# KiCad board gmsl-deserializer.kicad_pcb (continued)
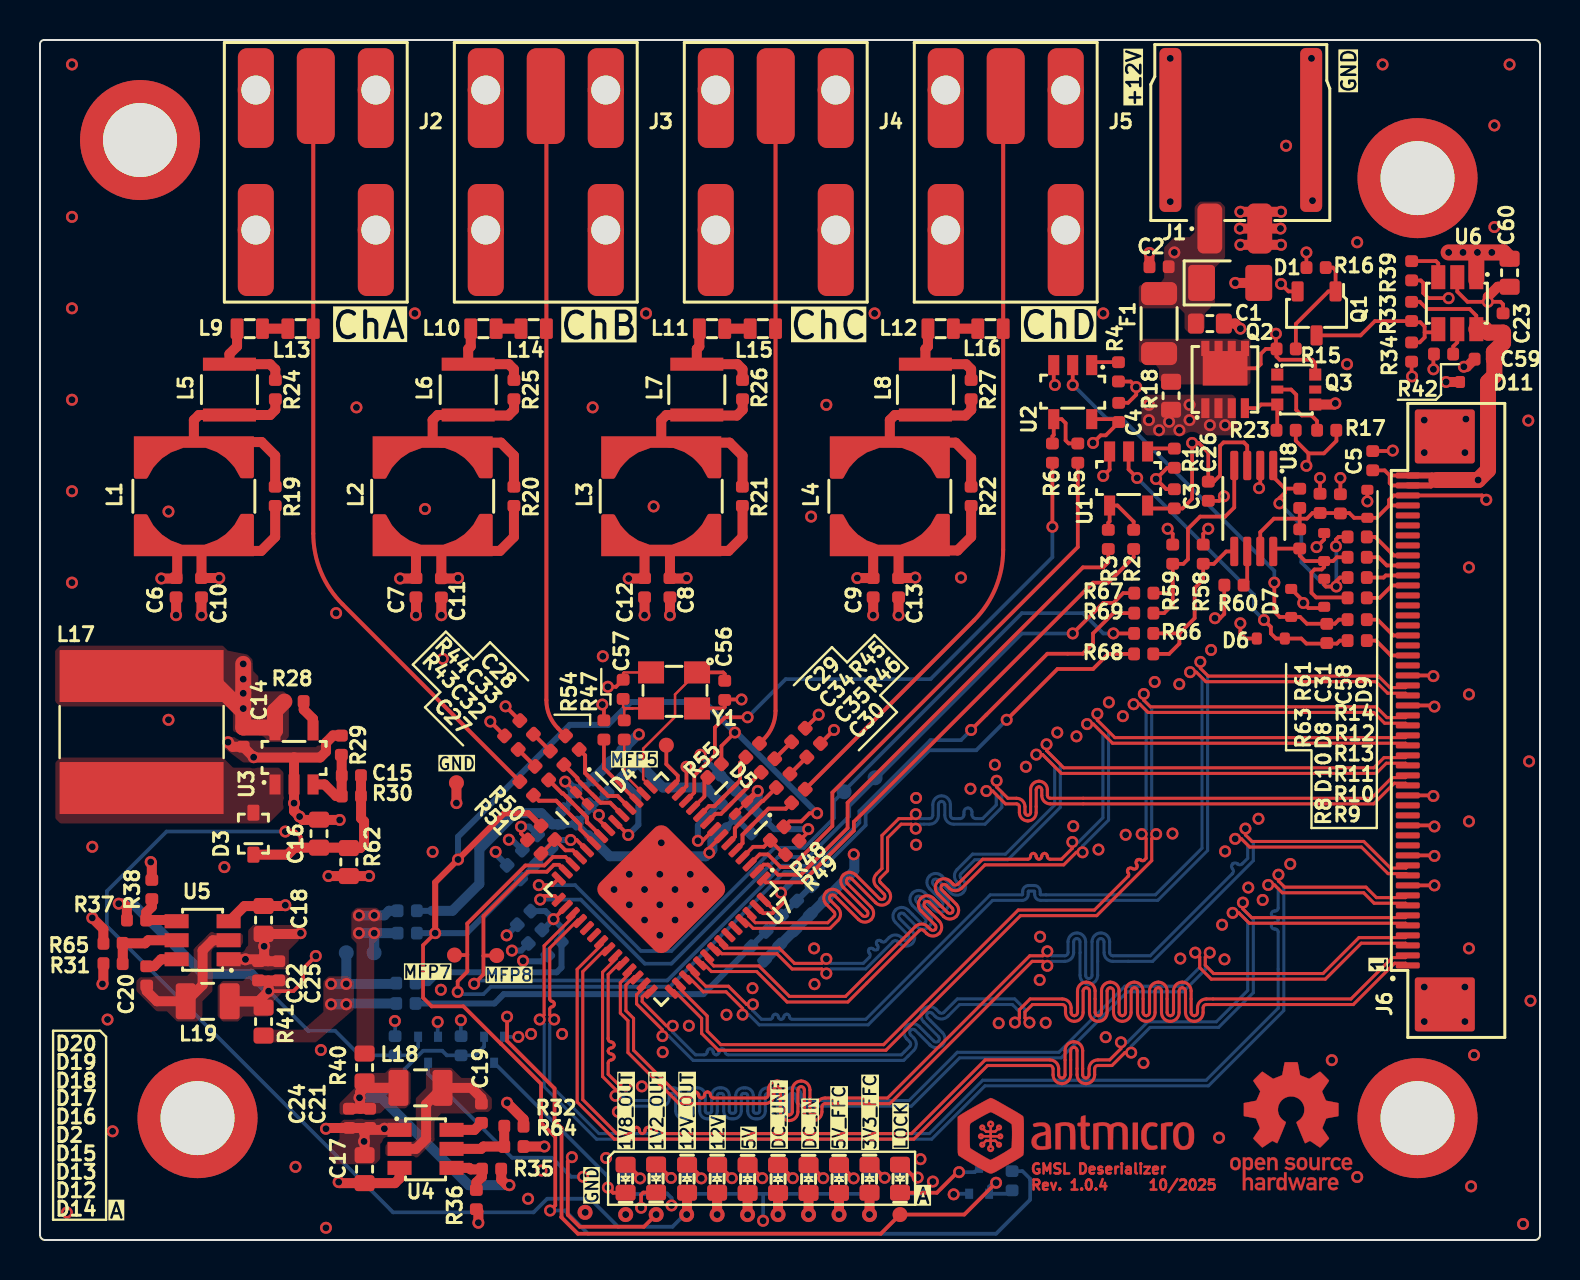
[diagram p0: board, top side]
## Library data of the parts (continued)
Q2 = -: Datasheet: https://www.vishay.com/docs/65529/sqs401en.pdf; Description: MOSFET, P Channel, 40 V, 16A, 0.047 ohm, PowerPAK 1212-8, Surface Mount; Author: Antmicro; License: Apache-2.0; Manufacturer: Vishay
Q3 = -: Datasheet: https://www.mouser.com/datasheet/2/115/DIOD_S_A0011803041_1-2543705.pdf; Description: OR Controller N+1 ORing Controller P-Channel 1:1 SOT-363; Author: Antmicro; License: Apache-2.0; Manufacturer: Diodes Incorporated
Q4-Q6 = -: Datasheet: https://www.diodes.com/assets/Datasheets/ds31783.pdf; Description: Power MOSFET, N Channel, 20 V, 630 mA, 0.3 ohm, SOT-523, Surface Mount; Author: Antmicro; License: Apache-2.0; Manufacturer: Diodes Incorporated
R1 R4 R16 R31-R34 R36 R38 R39 R49 R51 R55 R60 R64 R65 = -: Datasheet: https://www.bourns.com/docs/product-datasheets/cr.pdf; Description: SMD Chip Resistor, 10 kohm, ± 1%, 62.5 mW, 0402 [1005 Metric], Thick Film, General Purpose; Author: Antmicro; License: Apache-2.0; MPN: CR0402-FX-1002GLF; Manufacturer: Bourns; Tolerance: 1%; Val: 10k
R2 R3 R5 R6 R28 R47 R52 R53 R56 R57 = -: Datasheet: https://industrial.panasonic.com/cdbs/www-data/pdf/RDA0000/AOA0000C301.pdf; Description: SMD Chip Resistor, Jumper, 0 ohm, 100 mW, 0402 [1005 Metric], Thick Film, General Purpose; Author: Antmicro; Current: 1A; License: Apache-2.0; MPN: ERJ2GE0R00X; Manufacturer: Panasonic; Val: 0R
R7 R71 R77 R80-R82 = -: Datasheet: https://www.bourns.com/docs/product-datasheets/cr.pdf; Description: SMD Chip Resistor, 470 ohm, ± 1%, 62.5 mW, 0402 [1005 Metric], Thick Film, General Purpose; Author: Antmicro; License: Apache-2.0; MPN: CR0402-FX-4700GLF; Manufacturer: Bourns; Tolerance: 1%; Val: 470R
R8 R70 = -: Datasheet: https://www.bourns.com/docs/product-datasheets/cr.pdf; Description: SMD Chip Resistor, 200 ohm, ± 1%, 62.5 mW, 0402 [1005 Metric], Thick Film, General Purpose; Author: Antmicro; License: Apache-2.0; MPN: CR0402-FX-2000GLF; Manufacturer: Bourns; Tolerance: 1%; Val: 200R
R9-R15 R66-R69 = -: Datasheet: https://www.bourns.com/docs/product-datasheets/cr.pdf; Description: SMD Chip Resistor, 100 ohm, ± 1%, 62.5 mW, 0402 [1005 Metric], Thick Film, General Purpose; Author: Antmicro; License: Apache-2.0; MPN: CR0402-FX-1000GLF; Manufacturer: Bourns; Tolerance: 1%; Val: 100R
R17 R72 R74 = -: Datasheet: https://www.bourns.com/docs/product-datasheets/cr.pdf; Description: SMD Chip Resistor, 100 kohm, ± 1%, 62.5 mW, 0402 [1005 Metric], Thick Film, General Purpose; Author: Antmicro; License: Apache-2.0; MPN: CR0402-FX-1003GLF; Manufacturer: Bourns; Tolerance: 1%; Val: 100k
R18 R40 R41 R62 = -: Datasheet: https://fscdn.rohm.com/en/products/databook/datasheet/passive/resistor/chip_resistor/pmr-jpw-e.pdf; Description: SMD Chip Resistor; Author: Antmicro; License: Apache-2.0; MPN: PMR03EZPJ000; Manufacturer: ROHM Semiconductor; Max. Curr.: 22.4A; Tolerance: template_tolerance; Val: 0R
R19-R22 R24-R27 = -: Datasheet: https://www.bourns.com/docs/product-datasheets/cr.pdf; Description: SMD Chip Resistor, 5.1 kohm, ± 1%, 63 mW, 0402 [1005 Metric], Thick Film, General Purpose; Author: Antmicro; License: Apache-2.0; MPN: CR0402-FX-5101GLF; Manufacturer: Bourns; Tolerance: 1%; Val: 5k1
R23 = -: Datasheet: https://www.bourns.com/docs/product-datasheets/cr.pdf; Description: SMD Chip Resistor, 1 Mohm, ± 1%, 62.5 mW, 0402 [1005 Metric], Thick Film, General Purpose; Author: Antmicro; License: Apache-2.0; MPN: CR0402-FX-1004GLF; Manufacturer: Bourns; Tolerance: 1%; Val: 1M
R29 = -: Datasheet: https://www.bourns.com/docs/product-datasheets/cr.pdf; Description: SMD Chip Resistor, Ceramic, 13.7 kohm, ± 1%, 62.5 mW, 0402 [1005 Metric], Thick Film; Author: Antmicro; License: Apache-2.0; MPN: CR0402-FX-1372GLF; Manufacturer: Bourns; Tolerance: 1%; Val: 13k7
R30 = -: Datasheet: https://www.bourns.com/docs/product-datasheets/cr.pdf; Description: SMD Chip Resistor, 120 kohm, ± 1%, 100 mW, 0402 [1005 Metric], Thick Film, Precision; Author: Antmicro; License: Apache-2.0; MPN: CR0402-FX-1203GLF; Manufacturer: Bourns; Tolerance: 1%; Val: 120k
R35 = -: Datasheet: https://www.bourns.com/docs/product-datasheets/cr.pdf; Description: SMD Chip Resistor, 12.4 kohm, ± 1%, 62.5 mW, 0402 [1005 Metric], Thick Film, General Purpose; Author: Antmicro; License: Apache-2.0; MPN: CR0402-FX-1242GLF; Manufacturer: Bourns; Tolerance: 1%; Val: 12k4
R37 = -: Datasheet: https://www.bourns.com/docs/product-datasheets/cr.pdf; Description: SMD Chip Resistor, 4.99 kohm, ± 1%, 62.5 mW, 0402 [1005 Metric], Thick Film, General Purpose; Author: Antmicro; License: Apache-2.0; MPN: CR0402-FX-4991GLF; Manufacturer: Bourns; Tolerance: 1%; Val: 4k99
R42 = -: Datasheet: https://www.bourns.com/docs/product-datasheets/cr.pdf; Description: SMD Chip Resistor, 6.8 kohm, ± 1%, 63 mW, 0402 [1005 Metric], Thick Film, General Purpose; Author: Antmicro; License: Apache-2.0; MPN: CR0402-FX-6801GLF; Manufacturer: Bourns; Tolerance: 1%; Val: 6k8
R43-R46 = -: Datasheet: https://www.bourns.com/docs/product-datasheets/cr.pdf; Description: SMD Chip Resistor, 49.9 ohm, ± 1%, 62.5 mW, 0402 [1005 Metric], Thick Film, General Purpose; Author: Antmicro; License: Apache-2.0; MPN: CR0402-FX-49R9GLF; Manufacturer: Bourns; Tolerance: 1%; Val: 49R9
R48 R50 = -: Datasheet: https://www.bourns.com/docs/product-datasheets/cr.pdf; Description: SMD Chip Resistor, 80.6 kohm, ± 1%, 100 mW, 0402 [1005 Metric], Thick Film, Precision; Author: Antmicro; License: Apache-2.0; MPN: CR0402-FX-8062GLF; Manufacturer: Bourns; Tolerance: 1%; Val: 80k6
R54 = -: Datasheet: https://www.mouser.com/datasheet/2/54/cr-1858361.pdf; Description: SMD Chip Resistor, 402 ohm, ± 1%, 63 mW, 0402 [1005 Metric], Thick Film, General Purpose; Author: Antmicro; License: Apache-2.0; MPN: CR0402-FX-4020GLF; Manufacturer: Bourns; Tolerance: 1%; Val: 402R
R58 R59 R61 R63 = -: Datasheet: https://www.bourns.com/docs/product-datasheets/cr.pdf; Description: SMD Chip Resistor, 2.2 kohm, ± 1%, 62.5 mW, 0402 [1005 Metric], Thick Film, General Purpose; Author: Antmicro; License: Apache-2.0; MPN: CR0402-FX-2201GLF; Manufacturer: Bourns; Tolerance: 1%; Val: 2k2
R73 = -: Datasheet: https://www.bourns.com/docs/product-datasheets/cr.pdf; Description: SMD Chip Resistor, 40.2 kohm, ± 1%, 63 mW, 0402 [1005 Metric], Thick Film, General Purpose; Author: Antmicro; License: Apache-2.0; MPN: CR0402-FX-4022GLF; Manufacturer: Bourns; Tolerance: 1%; Val: 40k2
R75 R76 R78 = -: Datasheet: https://www.farnell.com/datasheets/3795017.pdf; Description: SMD Chip Resistor, 1.65 kohm, ± 1%, 63 mW, 0402 [1005 Metric], Thick Film, General Purpose; Author: Antmicro; License: Apache-2.0; MPN: RC0402FR-071K65L; Manufacturer: YAGEO; Tolerance: 1%; Val: 1k65
TP1-TP24 TP24#2 TP25-TP28 = -: Description: SMT test point; Author: Antmicro; License: Apache-2.0
U1 U2 = -: Datasheet: https://www.ti.com/lit/ds/symlink/sn74lv1t125.pdf?HQS=dis-mous-null-mousermode-dsf-pf-null-wwe&ts=1627648952184&ref_url=https%253A%252F%252Fmouser.com%252F; Description: Buffer, 74LV1T125, 1.6 V to 5.5 V, SOT-23-5; Author: Antmicro; License: Apache-2.0; Manufacturer: Texas Instruments
U3 = -: Datasheet: https://www.ti.com/lit/ds/symlink/lmr62014.pdf?ts=1698148381034; Description: Step-Up Regulator  2.7V to 14V, 1.4A; Author: Antmicro; License: Apache-2.0; MPN: LMR62014XMF/NOPB; Manufacturer: Texas Instruments
U4 U5 = -: Datasheet: https://www.diodes.com/assets/Datasheets/AP62300_AP62301_AP62300T.pdf; Description: DC-DC Switching Synchronous Buck Regulator, Adjustable, 4.2V-18Vin, 0.8V-7V/3A out, TSOT-26-6; Author: Antmicro; License: Apache-2.0; MPN: AP62301WU-7; Manufacturer: Diodes Incorporated
U6 = -: Datasheet: https://www.mouser.com/datasheet/2/115/DIOD_S_A0008958405_1-2543193.pdf; Description: Power Load Distribution Switch, High Side, Active High, 1 Output, 5.5 V, 3.6 A, 0.04 ohm, TSOT-26-6; Author: Antmicro; License: Apache-2.0; MPN: AP22615AWU-7; Manufacturer: Diodes Incorporated
U7 = -: Datasheet: https://www.mouser.com/datasheet/2/609/max96724-3135154.pdf; Description: ADI GMSL2/1 Tunneling Quad Deserializer 6GHz with 2x4 or 4x2 MIPI DPHY/CPHY Outputs; Author: Antmicro; License: Apache-2.0; MPN: MAX96724GTN/VY+; Manufacturer: Analog Devices
U8 = -: Datasheet: https://www.mouser.com/datasheet/2/302/NTS0102-1127324.pdf; Description: Transceiver, 1.65 V to 3.6 V, TSSOP-8; Author: Antmicro; License: Apache-2.0; MPN: NTS0102DP; Manufacturer: NXP
Y1 = -: Datasheet: https://abracon.com/Resonators/ABM8G.pdf; Description: Crystal, 25 MHz, SMD, 3.2mm x 2.5mm, 30 ppm, 18 pF, 20 ppm, ABM8G; Author: Antmicro; License: Apache-2.0; MPN: ABM8G-25.000MHZ-18-D2Y-T3; Manufacturer: Abracon; Val: 25 MHz

## Footprints (pads in the part's own frame, mm; a bottom-side part is the same pattern mirrored in y, then rotated)
C_0402_1005Metric
  rrect 0.59x0.64 smd: 1(-0.48,0) 2(0.48,0)
C_0603_1608Metric
  rrect 0.8x1 smd: 1(-0.7,0) 2(0.7,0)
Conn_FAKRA_7-2287906-0
  rrect 1.9x4.79 smd: 1(0,-3.62)
  round 1.8 hole 1.45: 2(-3,-3.315) 3(-3,-10.315) 4(3,-10.315) 5(3,-3.315)
  rrect 1.8x4.985 smd: 2(-2.998,-3.717)
  rrect 1.8x5.6 smd: 3(-3,-10.815) 4(3,-10.815)
  rrect 1.8x4.99 smd: 5(3,-3.72)
Conn_FFC_WE_68715014x22
  rrect 0.3x1.2 smd: 1(-12.25,2.15) 2(-11.75,2.15) 3(-11.25,2.15) 4(-10.75,2.15) 5(-10.25,2.15) 6(-9.75,2.15) 7(-9.25,2.15) 8(-8.75,2.15) 9(-8.25,2.15) 10(-7.75,2.15) 11(-7.25,2.15) 12(-6.75,2.15) 13(-6.25,2.15) 14(-5.75,2.15) 15(-5.25,2.15) 16(-4.75,2.15) 17(-4.25,2.15) 18(-3.75,2.15) 19(-3.25,2.15) 20(-2.75,2.15) 21(-2.25,2.15) 22(-1.75,2.15) 23(-1.25,2.15) 24(-0.75,2.15) 25(-0.25,2.15) 26(0.248,2.15) 27(0.748,2.15) 28(1.249,2.15) 29(1.749,2.15) 30(2.249,2.15) 31(2.749,2.15) 32(3.249,2.15) 33(3.749,2.15) 34(4.248,2.15) 35(4.748,2.15) 36(5.248,2.15) 37(5.749,2.15) 38(6.249,2.15) 39(6.749,2.15) 40(7.249,2.15) 41(7.749,2.15) 42(8.249,2.15) 43(8.749,2.15) 44(9.249,2.15) 45(9.749,2.15) 46(10.249,2.15) 47(10.749,2.15) 48(11.249,2.15) 49(11.749,2.15) 50(12.249,2.15)
  rrect 2.7x3 smd: MP1(-14.198,0.3) MP2(14.198,0.3)
Conn_Molex_Nano-Fit_1x2_SMD_1054301202
  rrect 1.24x2.5 smd: 1(1.528,4.901) 2(-0.97,4.901)
  rrect 1.1x8.2 smd: MP(-3.54,-0.029) MP(3.499,-0.029)
D_SOD-323F
  rrect 0.8x0.6 smd: 1(-1.051,-0.001) 2(1.05,-0.001)
DFN-10_2.5x1mm
  rrect 0.6x0.2 smd: 1(-0.425,1) 2(-0.425,0.5) 4(-0.425,-0.5) 5(-0.425,-1) 6(0.425,-1) 7(0.425,-0.5) 9(0.425,0.5) 10(0.425,1)
  rrect 0.6x0.4 smd: 3(-0.425,0) 8(0.425,0)
F_1206_3216Metric
  rrect 1.15x1.8 smd: 1(-1.5,-0.001) 2(1.5,-0.001)
L_0806_2016Metric
  rrect 1x1.8 smd: 1(-1.1,0.001) 2(1.1,0.001)
L_Bourns-SRN8040
  rect 2.6x8.2 smd: 1(-2.8,0) 2(2.8,0)
L_Coilcraft-1210POC
  rect 0.65x2.65 smd: 1(-1.27,0) 2(1.27,0)
L_Coilcraft-MSS6132T
  custom 2.119x6 smd: 1(-2.71,0) 2(2.71,0)
L_Coilcraft-PFL1609
  rrect 0.64x1.02 smd: 1(-0.635,0) 2(0.635,0)
LED_0603_1608Metric_G
  rrect 0.8x1 smd: 1(-0.7,0) 2(0.7,0)
QFN-56-1EP_8x8mm_P0.5mm_EP4.8x4.8mm
  rrect 0.8x0.8 smd: (-1.8,1.8) (-1.8,0.6) (-1.8,-0.6) (-1.8,-1.8) (-0.6,1.8) (-0.6,0.6) (-0.6,-0.6) (-0.6,-1.8) (0.6,1.8) (0.6,0.6) (0.6,-0.6) (0.6,-1.8) (1.8,1.8) (1.8,0.6) (1.8,-0.6) (1.8,-1.8)
  rrect 0.8x0.3 smd: 1(-4,3.25) 2(-4,2.75) 3(-4,2.25) 4(-4,1.75) 5(-4,1.25) 6(-4,0.75) 7(-4,0.25) 8(-4,-0.25) 9(-4,-0.75) 10(-4,-1.25) 11(-4,-1.75) 12(-4,-2.25) 13(-4,-2.75) 14(-4,-3.25) 29(4,-3.25) 30(4,-2.75) 31(4,-2.25) 32(4,-1.75) 33(4,-1.25) 34(4,-0.75) 35(4,-0.25) 36(4,0.25) 37(4,0.75) 38(4,1.25) 39(4,1.75) 40(4,2.25) 41(4,2.75) 42(4,3.25)
  rrect 0.3x0.8 smd: 15(-3.25,-4) 16(-2.75,-4) 17(-2.25,-4) 18(-1.75,-4) 19(-1.25,-4) 20(-0.75,-4) 21(-0.25,-4) 22(0.25,-4) 23(0.75,-4) 24(1.25,-4) 25(1.75,-4) 26(2.25,-4) 27(2.75,-4) 28(3.25,-4) 43(3.25,4) 44(2.75,4) 45(2.25,4) 46(1.75,4) 47(1.25,4) 48(0.75,4) 49(0.25,4) 50(-0.25,4) 51(-0.75,4) 52(-1.25,4) 53(-1.75,4) 54(-2.25,4) 55(-2.75,4) 56(-3.25,4)
  rrect 4.8x4.8 smd: 57(0,0)
R_0402_1005Metric
  rrect 0.59x0.64 smd: 1(-0.48,0) 2(0.48,0)
R_0603_1608Metric
  rrect 0.8x1 smd: 1(-0.7,0) 2(0.7,0)
Resonator_SMD_Abracon_ABM8G_3.2x2.5mm
  rrect 1.3x1.1 smd: 1(-1.101,-0.949)
  rect 1.3x1.1 smd: 2(1.199,-0.949) 3(1.199,0.85) 4(-1.101,0.85)
SOD-123FL
  rrect 1.34x1.8 smd: 1(-1.43,0) 2(1.429,0)
SOD-523_NP
  rrect 0.5x0.6 smd: 1(-0.701,0) 2(0.699,0)
SOT-23-3
  rrect 1x0.6 smd: 1(-1.1,0.951) 2(-1.1,-0.949) 3(1.1,0.001)
SOT-23-5
  rect 1x0.55 smd: 1(-1.351,0.951) 2(-1.351,0) 3(-1.351,-0.949) 4(1.35,-0.949) 5(1.35,0.951)
SOT-363
  custom 0.6x0.6 smd: 1(-0.948,0.752) 3(-0.948,-0.745) 4(0.951,-0.745) 6(0.951,0.752)
  rect 0.6x0.4 smd: 2(-0.948,0.002) 5(0.951,0.002)
SOT-523
  rect 0.4x0.51 smd: 1(-0.5,-0.65) 2(0.498,-0.65) 3(0,0.652)
Spacer_Drill3.7mm_H6mm_9774060151R
  custom 2.563x2.563 smd: (-1.7,-1.7) (-1.7,1.7) (1.7,-1.7) (1.7,1.7)
  round 6 hole 3.7: 1(0,0)
TP_SMD_0.75mm
  round 0.75 smd: 1(0,0)
TSOT23-6
  rect 1.2x0.7 smd: 1(-1.301,0.947) 2(-1.301,-0.004) 3(-1.301,-0.954) 4(1.299,-0.954) 5(1.299,-0.004) 6(1.299,0.947)
TSSOP-8_3x3mm_P0.65mm
  rrect 1.47x0.4 smd: 1(-2.148,0.962) 2(-2.148,0.313) 3(-2.148,-0.338) 4(-2.148,-0.987) 5(2.151,-0.987) 6(2.151,-0.338) 7(2.151,0.313) 8(2.151,0.962)
Vishay_PowerPAK_1212-8_Single
  rect 0.99x0.405 smd: 1(-1.436,0.99) 2(-1.436,0.332) 3(-1.436,-0.33) 4(-1.436,-0.988)
  custom 2.235x2.39 smd: 5(0.557,0)

## Nets
+1V2: R41.2 R53.2 R57.2 TP27.1
+1V8: C3.2 C4.2 C26.2 R39.2 R40.2 R52.2 R56.2 R58.2 R59.2 R60.2 TP28.1 U1.5 U2.5 U8.3
+5V: C14.2 C60.2 D16.2 L17.1 R28.2 R80.2 R81.2 R82.2 TP11.1 TP19.1 U3.5 U6.1
+12V: C6.2 C7.2 C8.2 C9.2 C10.2 C11.2 C12.2 C13.2 C17.2 C18.2 D17.2 L1.1 L2.1 L3.1 L4.1 Q2.1 Q2.2 Q2.3 Q3.4 R18.2 R19.1 R20.1 R21.1 R22.1 R31.2 R32.2 R62.2 TP10.1 TP20.1 U4.3 U5.3
/Deserializer/VDD: C37.2 C40.2 C43.2 C46.2 C49.2 R53.1 U7.55 U7.56
/Deserializer/VDD_1.8V: C36.2 C39.2 C42.2 C45.2 C48.2 R52.1 U7.7 U7.21
GND: C1.1 C2.1 C3.1 C4.1 C5.1 C6.1 C7.1 C8.1 C9.1 C10.1 C11.1 C12.1 C13.1 C14.1 C16.1 C17.1 C18.1 C21.1 C22.1 C23.1 C24.1 C25.1 C26.1 C31.1 C36.1 C37.1 C38.1 C39.1 C40.1 C41.1 C42.1 C43.1 C44.1 C45.1 C46.1 C47.1 C48.1 C49.1 C50.1 C51.1 C52.1 C53.1 C54.1 C55.1 C56.1 C57.1 C58.1 C59.1 C60.1 D1.2 D4.3 D4.8 D5.3 D5.8 D6.1 D7.1 D8.1 D9.1 D10.1 D11.1 H1.1 H2.1 H3.1 H4.1 J1.2 J1.MP J2.2 J2.3 J2.4 J2.5 J3.2 J3.3 J3.4 J3.5 J4.2 J4.3 J4.4 J4.5 J5.2 J5.3 J5.4 J5.5 J6.9 J6.12 J6.15 J6.18 J6.27 J6.30 J6.MP1 J6.MP2 Q1.2 Q4.2 Q5.2 Q6.2 R1.1 R4.1 R7.1 R16.1 R17.1 R23.1 R29.1 R34.1 R36.1 R38.1 R42.1 R43.2 R44.2 R45.2 R46.2 R49.1 R51.1 R54.1 R64.1 R65.1 R70.1 R71.1 R72.1 R74.1 R75.1 R76.1 R77.1 R78.1 TP5.1 TP15.1 TP26.1 U1.3 U2.3 U3.2 U4.1 U5.1 U6.2 U7.57 U8.2 Y1.2 Y1.4
VDDIO: C50.2 C52.2 C54.2 R48.2 R50.2 R55.2 R56.1 R73.2 U7.24
/Connectors/CSI0.CLK_N: J6.10 U7.40
/Connectors/CSI0.CLK_P: J6.11 U7.39
/Connectors/CSI0.D0_N: J6.7 U7.32
/Connectors/CSI0.D0_P: J6.8 U7.31
/Connectors/CSI0.D1_N: J6.5 U7.36
/Connectors/CSI0.D1_P: J6.6 U7.35
/Connectors/CSI0.D2_N: J6.3 U7.38
/Connectors/CSI0.D2_P: J6.4 U7.37
/Connectors/CSI0.D3_N: J6.1 U7.42
/Connectors/CSI0.D3_P: J6.2 U7.41
/Connectors/CSI1.CLK_N: J6.28 U7.46
/Connectors/CSI1.CLK_P: J6.29 U7.45
/Connectors/CSI1.D0_N: J6.25 U7.44
/Connectors/CSI1.D0_P: J6.26 U7.43
/Connectors/CSI1.D1_N: J6.23 U7.48
/Connectors/CSI1.D1_P: J6.24 U7.47
/Connectors/CSI1.D2_N: J6.21 U7.50
/Connectors/CSI1.D2_P: J6.22 U7.49
/Connectors/CSI1.D3_N: J6.19 U7.54
/Connectors/CSI1.D3_P: J6.20 U7.53
/Connectors/DC_IN: D15.2 F1.2 Q2.5 Q3.6 R15.2 R18.1 TP9.1 TP21.1
/Connectors/DC_UNFUSED: C1.2 C2.2 D1.1 D2.2 F1.1 J1.1 TP6.1 TP22.1
/Connectors/FFC_3V3: C31.2 C58.2 D9.2 D12.2 J6.47 J6.48 R61.2 R63.2 TP8.1 TP24.1 U8.7
/Connectors/FFC_5V: C5.2 C23.2 C59.2 D11.2 D13.2 J6.49 J6.50 R33.2 TP7.1 TP23.1 U6.6
/Connectors/MFP0: R2.1 U7.1
/Connectors/MFP1: R3.1 U7.2
/Connectors/MFP2: R5.1 U7.3
/Connectors/MFP3: R6.1 U7.12
/Connectors/MFP4: Q6.1 R73.1 TP1.1 U7.13
/Connectors/MFP5: TP2.1 U7.14
/Connectors/MFP7: R68.1 TP3.1 U7.26
/Connectors/MFP8: R69.1 TP4.1 U7.27
/Connectors/PoCA: C27.2 J2.1 L13.2
/Connectors/PoCB: C28.2 J3.1 L14.2
/Connectors/PoCC: C29.2 J4.1 L15.2
/Connectors/PoCD: C30.2 J5.1 L16.2
/Connectors/SCL: R67.1 TP25.1 U7.29
/Connectors/SCL_CAM: D10.2 R13.1 R14.1 R61.1 U8.1
/Connectors/SCL_CAM0: J6.40 R13.2
/Connectors/SCL_CAM1: J6.42 R14.2
/Connectors/SDA: R66.1 TP24#2.1 U7.28
/Connectors/SDA_CAM: D8.2 R11.1 R12.1 R63.1 U8.8
/Connectors/SDA_CAM0: J6.39 R11.2
/Connectors/SDA_CAM1: J6.41 R12.2
/Connectors/VSYNC_CAM0: D6.2 R8.2 R9.1 U1.2
/Connectors/VSYNC_CAM1: D7.2 R8.1 R10.1 U2.2
/Deserializer/CAP_VDD: C38.2 C41.2 C44.2 C47.2 U7.8 U7.20
/Deserializer/CFG0: R48.1 R49.2 U7.4
/Deserializer/CFG1: R50.1 R51.2 U7.25
/Deserializer/PWDNB: R55.1 U7.11
/Deserializer/SIOA_N: C32.1 D4.4 D4.7 U7.22
/Deserializer/SIOA_P: C27.1 D4.5 D4.6 U7.23
/Deserializer/SIOB_N: C33.1 D4.2 D4.9 U7.19
/Deserializer/SIOB_P: C28.1 D4.1 D4.10 U7.18
/Deserializer/SIOC_N: C34.1 D5.4 D5.7 U7.9
/Deserializer/SIOC_P: C29.1 D5.5 D5.6 U7.10
/Deserializer/SIOD_N: C35.1 D5.2 D5.9 U7.6
/Deserializer/SIOD_P: C30.1 D5.1 D5.10 U7.5
/Deserializer/VTERM: C51.2 C53.2 C55.2 R57.1 U7.30
/Deserializer/X1: C56.2 U7.15 Y1.1
/Deserializer/X2: R47.2 U7.16
/Deserializer/X2_R: C57.2 R47.1 Y1.3
/Deserializer/XRES: R54.2 U7.17
/Power/EN_1V2: R31.1 R65.2 U5.5
/Power/EN_1V8: R32.1 R64.2 U4.5
/Power/EN_12V: R28.1 U3.4
/Power/FB_1V2: R37.1 R38.2 U5.4
/Power/FB_1V8: R35.1 R36.2 U4.4
/Power/FB_12V: C15.1 R29.2 R30.1 U3.3
/Power/FFC_5V_EN: Q1.3 R33.1 R34.2 U6.4
/Power/FFC_5V_FLG: R39.1 U6.3
/Power/FFC_5V_ISET: R42.2 U6.5
/Power/OUT_1V2: C22.2 C25.2 L19.2 Q4.1 R37.2 R41.1 R72.2 TP14.1 TP16.1
/Power/OUT_1V8: C21.2 C24.2 L18.2 Q5.1 R35.2 R40.1 R74.2 TP13.1 TP17.1
/Power/OUT_12V: C15.2 C16.2 D3.1 D18.2 R30.2 R62.1 TP12.1 TP18.1
/Power/SW_1V2: C20.2 L19.1 U5.2
/Power/SW_1V8: C19.2 L18.1 U4.2
/Power/SW_12V: D3.2 L17.2 U3.1
Net-(C32-Pad2): C32.2 R43.1
Net-(C33-Pad2): C33.2 R44.1
Net-(C34-Pad2): C34.2 R45.1
Net-(C35-Pad2): C35.2 R46.1
Net-(D2-C): D2.1 R7.2
Net-(D12-C): D12.1 R70.2
Net-(D13-C): D13.1 R71.2
Net-(D14-A): D14.2 R82.1
Net-(D14-C): D14.1 Q6.3
Net-(D15-C): D15.1 R76.2
Net-(D16-C): D16.1 R77.2
Net-(D17-C): D17.1 R75.2
Net-(D18-C): D18.1 R78.2
Net-(D19-A): D19.2 R80.1
Net-(D19-C): D19.1 Q4.3
Net-(D20-A): D20.2 R81.1
Net-(D20-C): D20.1 Q5.3
Net-(J6-Pad32): J6.32 R9.2
Net-(J6-Pad34): J6.34 R10.2
Net-(L1-Pad2): L1.2 L5.1 R19.2 R24.1
Net-(L2-Pad2): L2.2 L6.1 R20.2 R25.1
Net-(L3-Pad2): L3.2 L7.1 R21.2 R26.1
Net-(L4-Pad2): L4.2 L8.1 R22.2 R27.1
Net-(L5-Pad2): L5.2 L9.1 R24.2
Net-(L10-Pad1): L6.2 L10.1 R25.2
Net-(L10-Pad2): L10.2 L14.1
Net-(L11-Pad1): L7.2 L11.1 R26.2
Net-(L11-Pad2): L11.2 L15.1
Net-(L12-Pad1): L8.2 L12.1 R27.2
Net-(L12-Pad2): L12.2 L16.1
Net-(L13-Pad1): L9.2 L13.1
Net-(Q1-G): Q1.1 R15.1 R16.2
Net-(Q2-G): Q2.4 Q3.3 R23.2
Net-(Q3-REF): Q3.2 R17.2
Net-(U1-Y): R2.2 R3.2 U1.4
Net-(U1-~{OE}): R1.2 U1.1
Net-(U2-Y): R5.2 R6.2 U2.4
Net-(U2-~{OE}): R4.2 U2.1
Net-(U4-BST): C19.1 U4.6
Net-(U5-BST): C20.1 U5.6
Net-(U8-A_{1}): R58.1 R66.2 R68.2 U8.5
Net-(U8-A_{2}): R59.1 R67.2 R69.2 U8.4
Net-(U8-OE): R60.1 U8.6

Pads without a net: J6 13 14 16 17 31 33 35 36 37 38 43 44 45 46; Q3 1 5; U7 33 34 51 52

## Via types
v1: diameter 0.6, hole 0.35, Top to Bottom, 362 vias

## Routing (per net, layer and track width the routed paths; a pad name or vN(x,y) marks a point on that pad's centre or on a via; arc(x,y) is an arc through that point)
+1V2: length 8.2
  Bottom w0.5: v1(15.31,12.8) 17.77,12.8 R57.2 ; v1(15.31,12.8) TP27.1 ; v1(15.31,12.8) v1(14.55,12.8) 14.59,12.84 ; 17.81,11.83 15.36,11.83 v1(15.31,11.79) v1(14.55,11.79)
+1V8: length 118.2
  Top w0.187: U2.5 53.79,41.04 53.94,40.89 53.94,40.88 53.29,40.23 53.03,40.23 v1(52.65,39.85) ; 58.16,34.78 58.16,35.31 v1(58.41,35.56) ; v1(56.38,35.56) 56.64,35.31 56.64,34.78 ; U8.3 60.36,39.71 60.19,39.88 59.18,39.88 59,39.71 59,38.23 58.7,37.92 58.41,37.92 58.41,39.37 57.93,39.85 v1(57.61,39.85) 57.61,37.06 57.12,36.58 55.53,36.58 55.38,36.73 ; v1(58.75,31.09) 59,31.09 59.21,31.3 59.21,32.74 ; 68.58,47.98 69.04,47.98 69.16,47.85 69.16,47.35 69.42,47.09 v1(70.43,47.09)
  In2.Cu w0.187: 57.61,36.53 58.13,36.53 58.41,36.25 v1(58.41,35.56) ; 57.61,36.53 57.61,34.75 58.75,33.6 v1(58.75,31.09) ; 57.61,36.53 56.7,36.53 56.38,36.22 v1(56.38,35.56)
  In2.Cu w0.3: 57.61,36.53 v1(57.61,39.85)
  In2.Cu w0.5: v1(15.95,15.34) 16.71,16.1 v1(16.71,16.23) 17.35,16.23 18.49,17.37 18.49,29.44 19.12,30.07 45.41,30.07 49.02,33.68 49.02,37.36 51.51,39.85 v1(52.65,39.85) 52.78,39.73 57.48,39.73 v1(57.61,39.85) 65.86,39.85 66.62,40.62 66.62,43.28 v1(70.43,47.09)
  Bottom w0.5: v1(15.95,16.23) v1(16.71,16.23) 17.22,16.23 17.45,16.46 17.88,16.46 ; v1(16.71,15.34) v1(15.95,15.34) ; v1(16.71,15.34) 16.71,14.37 TP28.1 ; v1(16.71,15.34) 17.88,15.34
+5V: length 193.6
  Top w0.187: 35.38,1.36 35.38,1.37
  Top w0.5: D16.2 TP11.1
  Top w0.8: 12.22,26.92 11.75,26.46 U3.5 11.6,25.63 10.16,25.63 10.16,26.41 ; v1(10.16,28.8) v1(10.16,27.34) v1(10.16,26.57) 10.16,26.41 ; 10.16,26.41 8.38,28.2 L17.1 ; 71.82,47.98 71.82,49.36 71.83,49.38 ; 71.83,49.38 v1(70.43,49.38) ; 71.83,49.38 73.16,49.38 C60.2
  In2.Cu w0.187: v1(44.64,2.92) 43.5,1.78 42.24,1.78 41.82,2.2 40.34,2.2 40.03,1.89 35.91,1.89 35.38,1.36 34.83,1.91 31.76,1.91 v1(31.58,1.73)
  In2.Cu w0.3: v1(10.16,28.04) 8.38,28.04 7.8,27.46 7.8,26.36 1.34,19.9 1.34,4.93 4.71,1.56 23.21,1.56 24.43,0.34 34.18,0.34 35.2,1.36 35.38,1.36
  In2.Cu w0.8: 72.97,49.38 v1(70.43,49.38) 68.65,49.38 62.85,43.57 49.13,43.57 45.92,40.36 4.27,40.36 3.25,39.35 3.25,31.47 4.52,30.2 9.58,30.2 10.16,29.62 v1(10.16,26.57)
  Bottom w0.187: R82.2 44.03,2.31 v1(44.64,2.92) ; R81.2 30.8,2.3 R80.2 31.35,2.33 31.58,2.1 v1(31.58,1.73)
  vias: v1(35.38,1.26) v1(71.15,49.38) v1(71.87,49.38) v1(72.59,49.38)
+12V: length 83.6
  Top w0.187: 33.86,1.37 33.86,1.37
  Top w0.5: v1(8.96,33.1) 8.08,33.1 8.08,34.45 ; 42.13,34.48 L4.1 45.88,34.48 46.56,35.15 46.56,36.7 ; 24.18,5.69 24.18,6.04 v1(23.35,6.86) ; 23.7,36.68 23.7,35.15 23,34.45 19.27,34.45 ; v1(3.12,12.8) 3.17,12.85 3.17,13.82 ; v1(29.44,33.08) 30.23,33.08 30.23,34.45 ; v1(12.27,16.74) 12.23,16.7 C18.2 ; v1(43.76,33.12) 43.74,33.1 42.93,33.1 42.93,34.45 ; U4.3 17.98,3.08 17.74,2.84 C17.2 14.98,2.84 v1(14.93,2.9) ; v1(40.86,33.1) 41.66,33.1 41.66,34.45 ; v1(20.9,33.1) 20.88,33.08 20.07,33.08 20.07,34.45 ; 11.21,16.7 10.22,16.7 9.46,15.93 ; 6.86,34.45 6.86,33.08 v1(6.07,33.08) ; v1(14.42,18.2) v1(16.46,18.2) ; 11.76,36.68 11.76,35.15 11.06,34.45 7.33,34.45 ; 31.5,34.45 31.5,33.08 32.31,33.08 v1(32.33,33.1) ; 18.8,34.45 18.8,33.08 v1(18.01,33.08) ; v1(64.77,41.83) 64.71,41.78 Q3.4 ; 30.7,34.45 34.42,34.45 35.13,35.15 35.13,36.68 ; D17.2 v1(33.86,1.27)
  In2.Cu w0.187: v1(23.35,6.86) 22.95,6.46 22.95,2.53 24.77,0.71 33.17,0.71 33.83,1.37 33.86,1.37
  In2.Cu w0.5: v1(3.12,12.8) 3.12,13.31 4.9,15.09 9.98,15.09 11.63,16.74 v1(12.27,16.74)
  vias: v1(55.45,41.76) v1(55.45,41) v1(55.95,40.49) v1(56.45,40.91) v1(56.97,40.49) v1(57.48,41.76) v1(57.48,41) v1(58.49,40.74) v1(59.26,40.74)
/Deserializer/VDD: length 27.4
  Top w0.187: 36.78,16.48 37.16,16.87 37.16,17.25 v1(37.05,17.36) ; 36.78,16.48 36.71,16.48 36.14,17.05 ; 36.78,16.48 36.63,16.34 36.15,16.34 35.79,16.7
  Bottom w0.3: v1(37.05,17.36) 37.72,18.03 38.28,18.03 38.59,17.72 33.17,12.29 23.19,12.29 22.72,11.83 18.78,11.83
/Deserializer/VDD_1.8V: length 29.1
  Top w0.187: v1(27.95,21.25) 27.95,21.01 28.45,20.5 ; 34.02,20.15 33.46,19.59 v1(33.46,19.36)
  Bottom w0.187: 35.55,20.35 35.53,20.35 34.78,21.1
  Bottom w0.3: C48.2 35.53,20.35 34.78,21.1 34.78,21.1 34.32,20.64 ; 18.85,16.46 19.6,16.46 ; v1(33.46,19.36) 33.46,19.5 ; 25.62,20.78 26.77,20.78 28.36,22.37 ; 26.12,20.77 26.76,20.77 C42.2 27.43,20.24 ; v1(27.95,21.25) 27.59,21.61
  Bottom w0.5: 19.6,16.46 20.62,16.46 21.97,17.81 21.97,19.55 23.76,21.34 25.06,21.34 25.62,20.78 25.88,20.78 25.89,20.77 26.12,20.77 ; 34.32,20.64 33.62,19.94 33.62,19.52 v1(33.46,19.36) 33.29,19.19 28.49,19.19 27.43,20.24
GND: length 140.2
  Top w0.125: Y1.2 29.2,28.38 29.16,28.34 29.16,28.02 ; D5.3 D5.8 ; D4.8 26.27,22.92 v1(26.26,22.92)
  Top w0.187: Y1.4 34.17,26.58 34.24,26.65 34.24,27 34.26,27.03 v1(35.08,27.03) ; 65.02,37.29 v1(65.02,38.1) ; 27.25,1.37 27.26,1.38 v1(27.26,1.38) ; v1(66.37,36.93) D9.1 ; v1(69.72,26.67) 69.66,26.73 J6.27 ; v1(69.67,22.2) 69.64,22.23 J6.18 ; v1(60.02,30.84) 60.02,30.33 60.27,30.07 60.84,30.07 ; 64.82,40.49 64.82,39.96 64.2,39.33 63.42,39.33 ; v1(24.05,20.67) 24.05,20.32 24.37,20 ; D10.1 64.15,31.6 63.42,31.6 v1(63.16,31.85) 63.16,31.95 62.56,32.55 ; v1(68.6,43.18) 68.58,43.2 68.58,43.91 ; v1(28.12,26.77) 28.2,26.69 28.2,25.99 ; U2.3 50.69,42.81 v1(50.75,42.75) ; 63.42,39.33 63.42,38.81 v1(63.32,38.71) ; 63.42,39.33 62.79,39.96 62.79,40.49 ; Q1.2 62.42,47.43 v1(62.05,47.8) ; 29.16,28.02 28.8,27.66 v1(28.39,27.66) ; v1(63.32,49.38) 63.32,48.62 ; 66.64,39.45 67.61,39.45 v1(67.64,39.47) ; v1(60.95,37.59) 61.01,37.65 U8.2 ; 53.94,41.86 54.41,41.86 54.81,42.27 v1(54.81,42.65) 54.53,42.92 53.92,42.92 ; 37.96,19.95 38.41,20.4 v1(38.41,20.54) ; U1.3 53.48,38.52 v1(53.16,38.2) ; 70.86,47.98 70.86,47.42 71.38,46.91 73.03,46.91 73.15,46.78 73.15,46.34 ; 64,37.32 v1(64,38.1) ; J6.9 v1(69.72,17.73) ; v1(69.67,43.54) 69.67,44.3 ; D8.1 64.21,35.03 v1(63.83,34.65) ; v1(69.72,20.68) 69.67,20.73 J6.15 ; 58.41,36.96 58.97,36.96 v1(59.2,37.19) ; J6.12 69.69,19.23 v1(69.72,19.2) ; J6.30 69.64,28.23 v1(69.67,28.19) ; 56.72,38.61 56.36,38.61 v1(55.8,38.05) 56.31,37.54 56.72,37.54
  Top w0.2: 23.23,25.21 v1(22.51,25.92) ; 39.02,24.83 v1(39.7,25.5) ; 38.26,25.59 v1(38.94,26.26) ; 23.99,25.97 v1(23.28,26.68)
  Top w0.3: D5.3 35.35,21.92 v1(35.89,22.45)
  Top w0.5: 11.21,15.3 v1(11.21,14.68) 11.21,14.19 ; 9.46,14.03 11.05,14.03 11.21,14.19 ; 60.99,51.41 v1(60.02,51.41) ; 60.99,51.41 J1.2 ; 60.99,51.41 v1(62.05,51.41) ; 11.97,13.94 11.4,13.94 ; 11.4,13.94 10.95,13.94 ; 11.4,13.94 11.21,14.14 11.21,14.19 ; 60.94,47.85 v1(59.76,47.85) ; 16.23,5.35 16.23,5.4 16.03,5.6 ; 16.23,5.35 16.39,5.51 U4.1 ; 16.23,5.35 C17.1 ; 12.7,24.13 14.01,24.13 14.3,24.42 14.3,24.87 14.66,25.23 14.92,25.23 ; 12.7,24.13 10.69,24.13 v1(10.68,24.14) 10.16,24.66 9.63,24.66 v1(9.4,24.89) ; 12.7,24.13 U3.2 v1(12.7,21.84) 12.7,21.45 v1(12.98,21.17) 13.15,21 v1(14.98,21) ; v1(60.02,45.57) 59.76,45.82 C1.1 ; 16.03,5.6 16.48,5.6 ; 16.03,5.6 14.33,5.6 v1(14.3,5.56) ; D11.1 v1(70.3,42.9) ; v1(31.5,31.24) 31.5,32.13 ; v1(42.93,31.24) 42.93,32.13 ; C18.1 12.99,15.3 v1(13.03,15.34) ; 20.07,32.12 v1(20.07,31.24) ; v1(8.08,31.24) 8.08,32.13 ; v1(41.66,31.24) 41.66,32.13 ; C60.1 72.89,47.66 72.39,47.16 v1(72.39,46.91) ; 18.8,32.13 v1(18.8,31.24) ; v1(71.19,43.66) 71.35,43.66 71.73,44.04 ; 5.59,18.01 5.59,18.84 v1(5.54,18.9) ; v1(2.61,16.1) 3.17,15.55 3.17,14.83 ; v1(30.23,31.24) 30.23,32.13 ; J1.2 v1(59.99,50.57) ; J1.2 v1(62.02,50.57) ; v1(21.92,0.86) 21.92,1.43 21.82,1.54 ; TP5.1 v1(20.82,21.85) ; v1(6.81,31.24) 6.81,32.13 ; C2.1 55.47,48.67 v1(55.47,49.35) ; v1(60.02,49.76) v1(62.05,49.76) ; v1(25.22,4.67) 24.18,4.67
  Bottom w0.187: v1(17.74,10.95) 17.75,10.94 R72.1 ; Q6.2 45.71,2.31 v1(45.68,2.28) ; 36.16,2.31 R70.1 ; 36.16,2.31 36.15,2.3 v1(36.15,0.96) ; 36.16,2.31 R78.1 ; Q5.2 23.21,10.16 v1(23.92,10.16) ; R74.1 21.04,10.2 v1(21.04,10.99) ; v1(19.88,10.9) 19.88,10.18 Q4.2
  Bottom w0.3: C48.1 36.71,20.54 v1(38.41,20.54) ; v1(24.05,20.67) 24.47,20.67 24.88,20.26 ; 23.35,18.73 22.78,19.3 v1(22.78,19.41) ; v1(23.59,14.47) 24.06,14.47 C53.1 ; v1(24.15,13.96) 24.18,13.93 25.08,13.93 C55.1 ; C36.1 27.37,22.74 27.05,22.74 C39.1 26.45,22.15 26.45,21.83 C42.1 ; v1(33.03,24.26) 33.94,23.34 C47.1 ; v1(23.44,20.02) 23.59,20.02 24.12,19.49 ; v1(23.33,15.23) C51.1
  Bottom w0.5: v1(29.95,25.28) 29.9,25.28 29.2,24.57 ; v1(40.69,19.28) 40.71,19.25 40.71,18.47 36.23,13.98 ; C39.1 26.28,22.92 v1(26.26,22.92) ; v1(35.89,22.45) 35.89,22.2 35.47,21.78 ; C36.1 C41.1 ; 36.23,21.03 33.96,23.3 33.94,23.3
  vias: v1(1.34,1.37) v1(1.6,58.78) v1(1.6,51.16) v1(1.6,46.58) v1(1.6,42.01) v1(1.6,37.44) v1(1.6,32.87) v1(2.61,19.66) v1(3.38,11.02) v1(3.63,5.44) v1(6.42,36.42) v1(6.42,26.01) v1(9.22,18.64) v1(10.27,14.03) v1(12.77,3.66) v1(14.04,9.5) v1(14.3,0.61) v1(14.81,31.34) v1(15.82,41.63) v1(16.2,4.93) v1(17.22,5.56) v1(18.74,46.33) v1(19.25,36.55) v1(19.63,19.41) v1(20.04,12.51) v1(20.14,29.06) v1(24.4,2.06) v1(24.55,10.3) v1(25.07,3.47) v1(26.1,10.3) v1(27.63,41.63) v1(28.14,29.19) v1(28.3,4.1) v1(28.7,17.52) v1(28.89,6.41) v1(29.47,18.29) v1(29.47,16.76) v1(30.09,7.68) v1(30.23,17.52) v1(30.23,16) v1(30.3,46.33) v1(30.68,36.68) v1(30.99,18.29) v1(30.99,16.76) v1(30.99,15.24) v1(31.06,19.86) v1(31.13,9.39) v1(31.75,17.52) v1(31.75,16) v1(32.44,10.71) v1(32.51,18.29) v1(32.51,16.76) v1(33.28,17.52) v1(34.32,11.26) v1(35.62,12.59) v1(38.55,36.17) v1(38.7,14.58) v1(38.72,12.79) v1(39.32,41.76) v1(41.73,46.33) v1(43.8,22.1) v1(43.8,19.76) v1(44.02,4.04) v1(46.05,33.12) v1(46.52,22.56) v1(47.74,23.76) v1(47.93,10.84) v1(49.29,23.66) v1(50,15.16) v1(49.98,13) v1(50.28,10.86) v1(50.86,25.37) v1(51.66,20.69) v1(51.82,25.18) v1(52.92,19.52) v1(53.16,46.33) v1(53.28,10.14) v1(53.44,26.88) v1(54.14,26.19) v1(54.28,20.26) v1(55.17,8.85) v1(55.73,27.9) v1(56.51,59.08) v1(56.51,51.92) v1(56.62,20.32) v1(56.96,27.79) v1(57.01,14.07) v1(58.55,29.5) v1(58.95,5.11) v1(59.1,15.76) v1(59.22,14.03) v1(59.25,19.43) v1(60.41,17.62) v1(60.92,21.06) v1(61.13,17) v1(62.3,54.71) v1(62.51,18.8) v1(63.57,59.08) v1(63.62,51.97) v1(64.59,8.99) v1(65.35,43.79) v1(65.86,49.89) v1(65.86,3.15) v1(67.13,58.78) v1(69.21,41) v1(69.21,39.37) v1(69.21,12.65) v1(69.21,10.92) v1(71.24,39.37) v1(71.24,12.65) v1(71.24,10.92) v1(71.3,41.05) v1(71.45,33.63) v1(71.45,27.28) v1(71.45,20.93) v1(71.45,14.58) v1(71.55,2.68) v1(71.7,9.25) v1(72.72,55.73) v1(72.72,50.65) v1(73.48,58.78) v1(74.15,0.8) v1(74.41,40.97) v1(74.45,23.93) v1(74.52,11.96)
